# KiCad board poly_kb_molecule_4x5.kicad_pcb (continued)
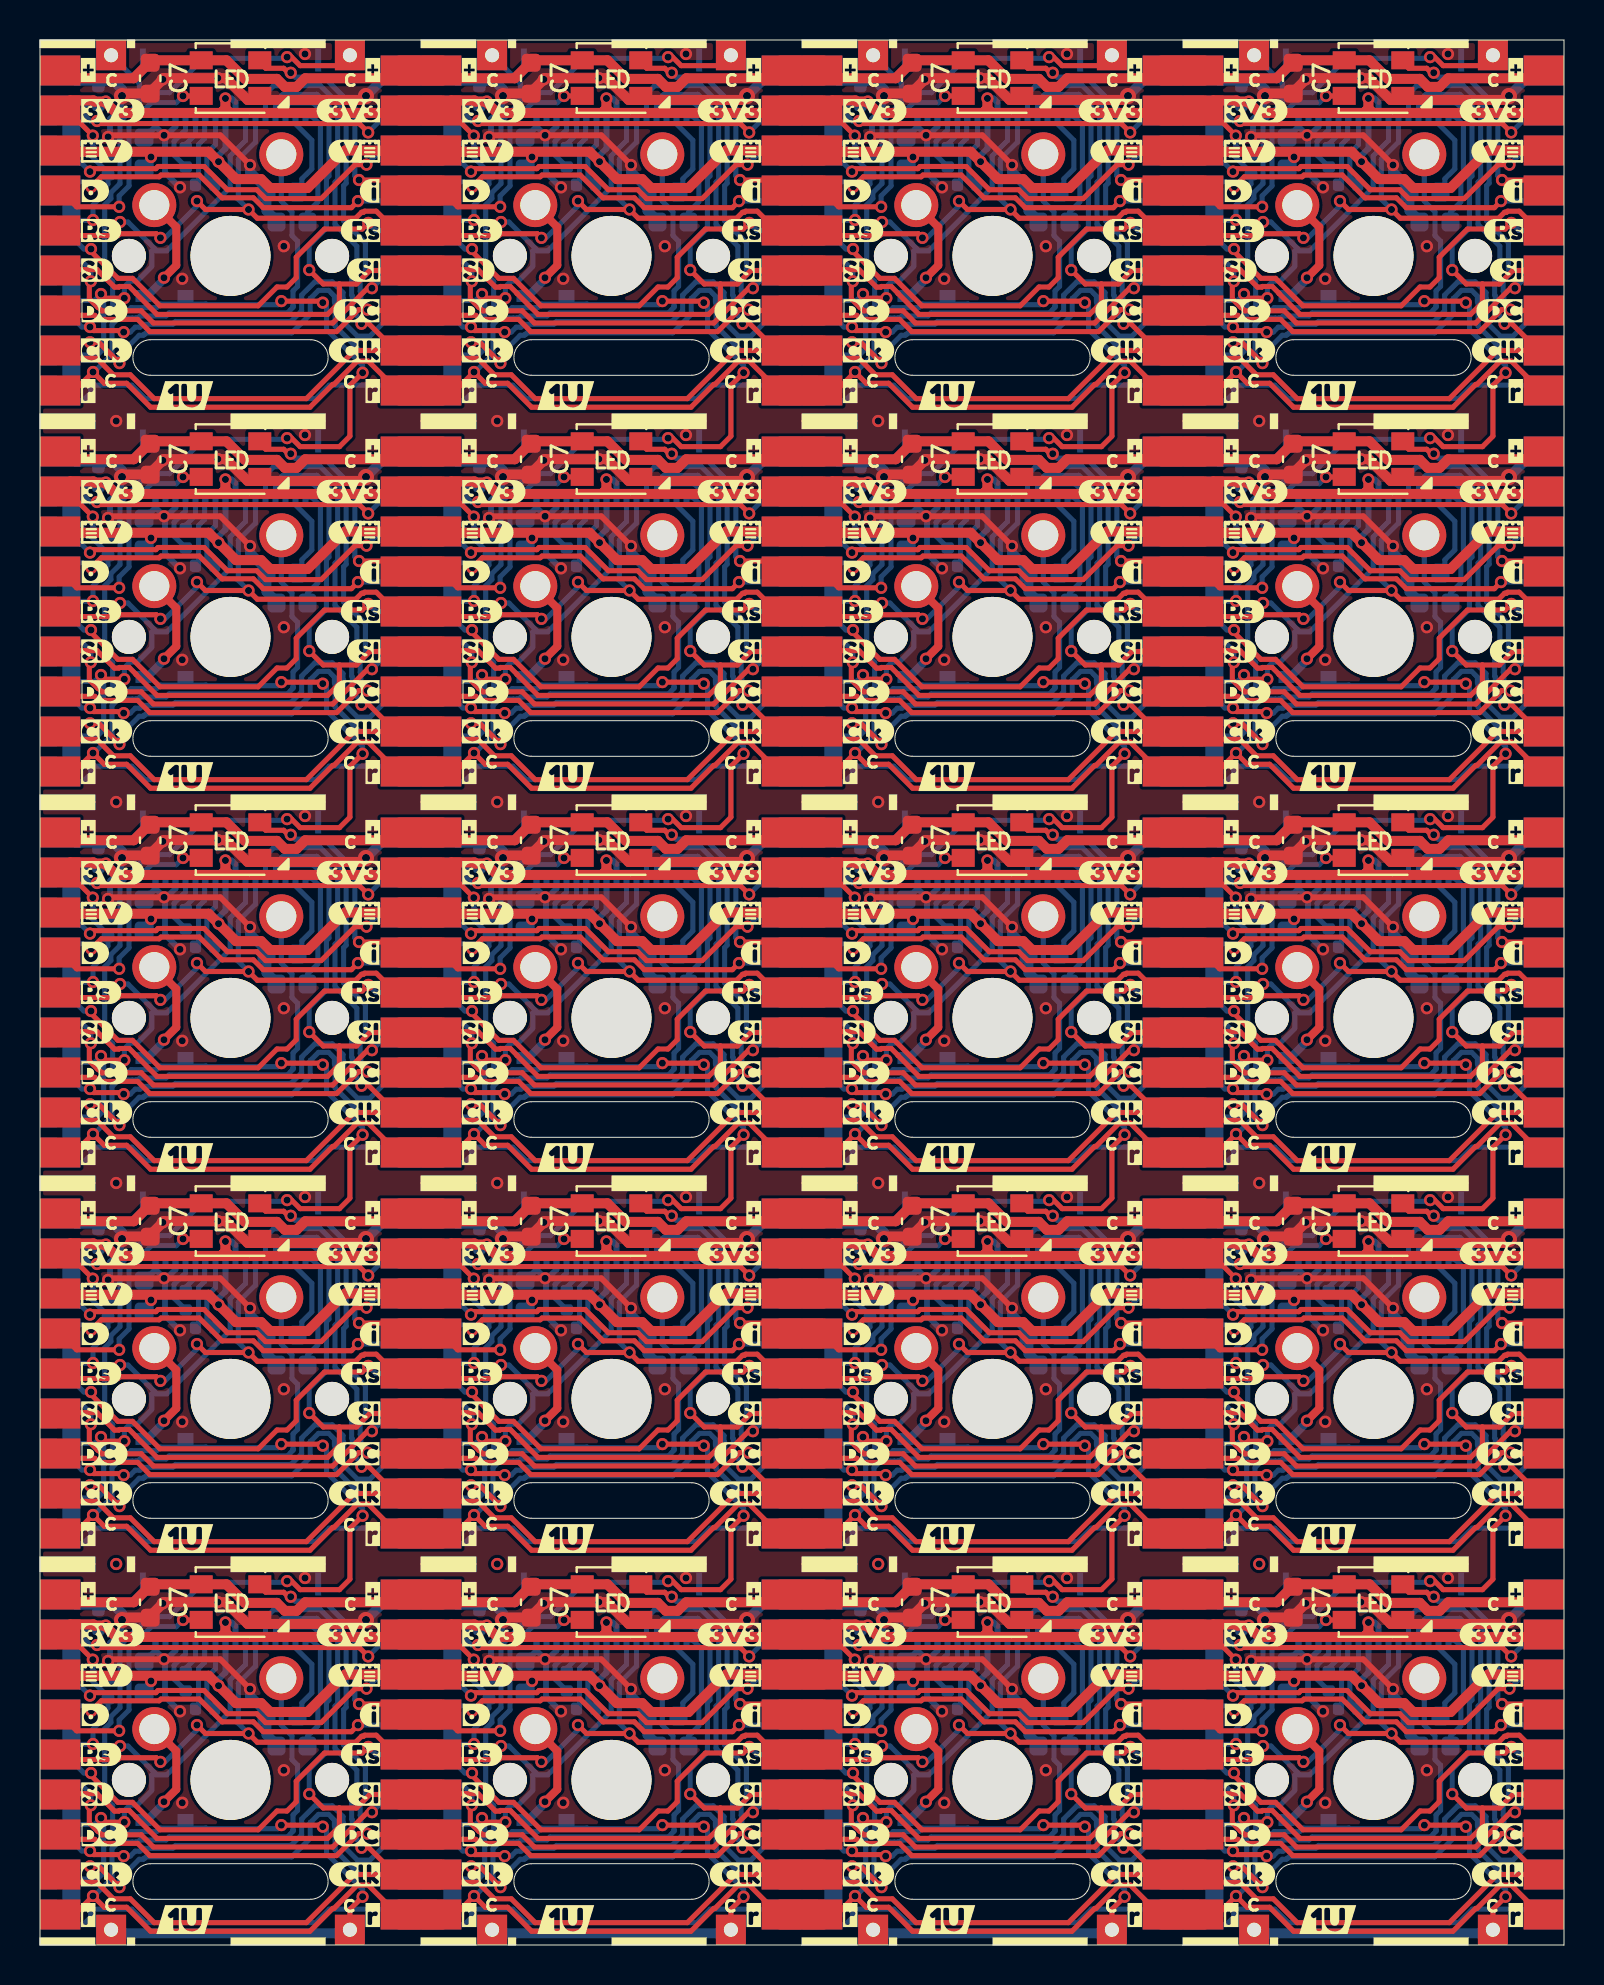
[diagram p0: board, top side]
## Routing (per net, layer and track width the routed paths; a pad name or vN(x,y) marks a point on that pad's centre or on a via; arc(x,y) is an arc through that point) (continued)
Net-(C4-Pad1): length 84.6
  Bottom w0.254: J1#14.15 50.88,14.85 51.69,14.04 51.69,12.6 51.19,12.11 51.19,11.56 ; J1#18.15 50.88,33.9 51.69,33.09 51.69,31.65 51.19,31.16 51.19,30.61 ; J1#10.15 69.92,91.05 70.74,90.24 70.74,88.8 70.24,88.31 70.24,87.76 ; J1.15 12.77,91.05 13.59,90.24 13.59,88.8 13.09,88.31 13.09,87.76 ; J1#9.15 31.83,14.85 32.64,14.04 32.64,12.6 32.14,12.11 32.14,11.56 ; J1#4.15 50.88,72 51.69,71.19 51.69,69.75 51.19,69.26 51.19,68.71 ; J1#19.15 69.92,52.95 70.74,52.14 70.74,50.7 70.24,50.21 70.24,49.66 ; 32.14,30.61 32.14,31.16 32.64,31.65 32.64,33.09 31.83,33.9 J1#2.15 ; J1#7.15 50.88,91.05 51.69,90.24 51.69,88.8 51.19,88.31 51.19,87.76 ; J1#5.15 12.77,33.9 13.59,33.09 13.59,31.65 13.09,31.16 13.09,30.61 ; J1#20.15 12.77,72 13.59,71.19 13.59,69.75 13.09,69.26 13.09,68.71 ; 70.24,11.56 70.24,12.11 70.74,12.6 70.74,14.04 69.92,14.85 J1#15.15 ; 13.09,11.56 13.09,12.11 13.59,12.6 13.59,14.04 12.77,14.85 J1#11.15 ; J1#17.15 69.92,72 70.74,71.19 70.74,69.75 70.24,69.26 70.24,68.71 ; 32.14,68.71 32.14,69.26 32.64,69.75 32.64,71.19 31.83,72 J1#16.15 ; J1#12.15 31.83,52.95 32.64,52.14 32.64,50.7 32.14,50.21 32.14,49.66 ; 32.14,87.76 32.14,88.31 32.64,88.8 32.64,90.24 31.83,91.05 J1#13.15 ; 51.19,49.66 51.19,50.21 51.69,50.7 51.69,52.14 50.88,52.95 J1#8.15 ; J1#6.15 12.77,52.95 13.59,52.14 13.59,50.7 13.09,50.21 13.09,49.66 ; 70.24,30.61 70.24,31.16 70.74,31.65 70.74,33.09 69.92,33.9 J1#3.15
Net-(C5-Pad1): length 60.3
  Bottom w0.254: C5#12.1 25.75,70.44 25.75,71.13 26.32,71.7 J1#16.4 ; C5#17.1 25.75,51.39 25.75,52.08 26.32,52.65 J1#12.4 ; C5#4.1 25.75,13.29 25.75,13.98 26.32,14.55 J1#9.4 ; J1#3.4 64.42,33.6 63.85,33.03 63.85,32.34 C5#5.1 ; C5#13.1 6.7,51.39 6.7,52.08 7.27,52.65 J1#6.4 ; C5#20.1 44.8,32.34 44.8,33.03 45.38,33.6 J1#18.4 ; C5#6.1 44.8,70.44 44.8,71.13 45.38,71.7 J1#4.4 ; C5#10.1 44.8,89.49 44.8,90.18 45.38,90.75 J1#7.4 ; C5#11.1 63.85,13.29 63.85,13.98 64.42,14.55 J1#15.4 ; C5#3.1 25.75,89.49 25.75,90.18 26.32,90.75 J1#13.4 ; C5.1 6.7,89.49 6.7,90.18 7.27,90.75 J1.4 ; J1#20.4 7.27,71.7 6.7,71.13 6.7,70.44 C5#9.1 ; J1#10.4 64.42,90.75 63.85,90.18 63.85,89.49 C5#15.1 ; C5#7.1 6.7,13.29 6.7,13.98 7.27,14.55 J1#11.4 ; J1#17.4 64.42,71.7 63.85,71.13 63.85,70.44 C5#2.1 ; J1#2.4 26.32,33.6 25.75,33.03 25.75,32.34 C5#16.1 ; J1#5.4 7.27,33.6 6.7,33.03 6.7,32.34 C5#8.1 ; J1#19.4 64.42,52.65 63.85,52.08 63.85,51.39 C5#18.1 ; J1#8.4 45.38,52.65 44.8,52.08 44.8,51.39 C5#19.1 ; J1#14.4 45.38,14.55 44.8,13.98 44.8,13.29 C5#14.1
Net-(C5-Pad2): length 35.5
  Bottom w0.254: C5#20.2 45.39,32.9 45.88,33.38 J1#18.5 ; J1#13.5 26.82,90.53 26.34,90.05 C5#3.2 ; C5#9.2 7.29,71 7.77,71.48 J1#20.5 ; C5#15.2 64.44,90.05 64.92,90.53 J1#10.5 ; J1#16.5 26.82,71.48 26.34,71 C5#12.2 ; C5.2 7.29,90.05 7.77,90.53 J1.5 ; C5#19.2 45.39,51.95 45.88,52.43 J1#8.5 ; J1#7.5 45.88,90.53 45.39,90.05 C5#10.2 ; C5#14.2 45.39,13.85 45.88,14.33 J1#14.5 ; C5#7.2 7.29,13.85 7.77,14.33 J1#11.5 ; J1#4.5 45.88,71.48 45.39,71 C5#6.2 ; C5#5.2 64.44,32.9 64.92,33.38 J1#3.5 ; C5#17.2 26.34,51.95 26.82,52.43 J1#12.5 ; J1#6.5 7.77,52.43 7.29,51.95 C5#13.2 ; J1#5.5 7.77,33.38 7.29,32.9 C5#8.2 ; J1#2.5 26.82,33.38 26.34,32.9 C5#16.2 ; J1#19.5 64.92,52.43 64.44,51.95 C5#18.2 ; C5#2.2 64.44,71 64.92,71.48 J1#17.5 ; J1#15.5 64.92,14.33 64.44,13.85 C5#11.2 ; J1#9.5 26.82,14.33 26.34,13.85 C5#4.2
Net-(C6-Pad1): length 72.7
  Bottom w0.254: J1#13.6 27.29,91.4 27.29,90.33 26.98,90.02 26.98,88.16 C6#4.1 ; C6#16.1 46.03,69.11 46.03,70.97 46.34,71.28 46.34,72.35 J1#4.6 ; J1#10.6 65.39,91.4 65.39,90.33 65.08,90.02 65.08,88.16 C6#17.1 ; J1#11.6 8.24,15.2 8.24,14.13 7.93,13.82 7.93,11.96 C6#7.1 ; C6#19.1 65.08,11.96 65.08,13.82 65.39,14.13 65.39,15.2 J1#15.6 ; J1#9.6 27.29,15.2 27.29,14.13 26.98,13.82 26.98,11.96 C6#12.1 ; J1#17.6 65.39,72.35 65.39,71.28 65.08,70.97 65.08,69.11 C6#15.1 ; C6#3.1 46.03,88.16 46.03,90.02 46.34,90.33 46.34,91.4 J1#7.6 ; J1#12.6 27.29,53.3 27.29,52.23 26.98,51.92 26.98,50.06 C6#20.1 ; J1#20.6 8.24,72.35 8.24,71.28 7.93,70.97 7.93,69.11 C6#2.1 ; J1#14.6 46.34,15.2 46.34,14.13 46.03,13.82 46.03,11.96 C6#14.1 ; J1.6 8.24,91.4 8.24,90.33 7.93,90.02 7.93,88.16 C6.1 ; C6#10.1 7.93,50.06 7.93,51.92 8.24,52.23 8.24,53.3 J1#6.6 ; C6#6.1 65.08,31.01 65.08,32.87 65.39,33.18 65.39,34.25 J1#3.6 ; J1#16.6 27.29,72.35 27.29,71.28 26.98,70.97 26.98,69.11 C6#13.1 ; J1#18.6 46.34,34.25 46.34,33.18 46.03,32.87 46.03,31.01 C6#8.1 ; C6#9.1 7.93,31.01 7.93,32.87 8.24,33.18 8.24,34.25 J1#5.6 ; C6#18.1 26.98,31.01 26.98,32.87 27.29,33.18 27.29,34.25 J1#2.6 ; C6#11.1 65.08,50.06 65.08,51.92 65.39,52.23 65.39,53.3 J1#19.6 ; C6#5.1 46.03,50.06 46.03,51.92 46.34,52.23 46.34,53.3 J1#8.6
Net-(C6-Pad2): length 75.4
  Bottom w0.254: J1#10.7 65.92,90.02 65.49,89.59 65.49,88.4 C6#17.2 ; C6#11.2 65.49,50.3 65.49,51.49 65.92,51.92 J1#19.7 ; C6.2 8.34,88.4 8.34,89.59 8.77,90.02 J1.7 ; C6#15.2 65.49,69.35 65.49,70.54 65.92,70.97 J1#17.7 ; J1#15.7 65.92,13.82 65.49,13.39 65.49,12.2 C6#19.2 ; C6#3.2 46.44,88.4 46.44,89.59 46.88,90.02 J1#7.7 ; J1#12.7 27.83,51.92 27.39,51.49 27.39,50.3 C6#20.2 ; J1#20.7 8.77,70.97 8.34,70.54 8.34,69.35 C6#2.2 ; J1#13.7 27.83,90.02 27.39,89.59 27.39,88.4 C6#4.2 ; C6#7.2 8.34,12.2 8.34,13.39 8.77,13.82 J1#11.7 ; C6#5.2 46.44,50.3 46.44,51.49 46.88,51.92 J1#8.7 ; C6#9.2 8.34,31.25 8.34,32.44 8.77,32.87 J1#5.7 ; C6#8.2 46.44,31.25 46.44,32.44 46.88,32.87 J1#18.7 ; J1#4.7 46.88,70.97 46.44,70.54 46.44,69.35 C6#16.2 ; J1#16.7 27.83,70.97 27.39,70.54 27.39,69.35 C6#13.2 ; J1#6.7 8.77,51.92 8.34,51.49 8.34,50.3 C6#10.2 ; C6#14.2 46.44,12.2 46.44,13.39 46.88,13.82 J1#14.7 ; J1#3.7 65.92,32.87 65.49,32.44 65.49,31.25 C6#6.2 ; C6#18.2 27.39,31.25 27.39,32.44 27.83,32.87 J1#2.7 ; J1#9.7 27.83,13.82 27.39,13.39 27.39,12.2 C6#12.2
Net-(D1-Pad2): length 117
  Top w0.4: v1(63.35,83.36) 63.96,83.98 63.96,85.9 SW1#9.2 ; SW1#18.2 25.86,47.8 25.86,45.88 v1(25.25,45.26) ; SW1#14.2 63.96,9.7 63.96,7.78 v1(63.35,7.16) ; SW1#13.2 63.96,66.85 63.96,64.93 v1(63.35,64.31) ; v1(63.35,45.26) 63.96,45.88 63.96,47.8 SW1#7.2 ; SW1.2 6.81,85.9 6.81,83.98 v1(6.2,83.36) ; SW1#8.2 25.86,66.85 25.86,64.93 v1(25.25,64.31) ; SW1#6.2 6.81,28.75 6.81,26.83 v1(6.2,26.21) ; v1(6.2,64.31) 6.81,64.93 6.81,66.85 SW1#2.2 ; v1(25.25,26.21) 25.86,26.83 25.86,28.75 SW1#4.2 ; SW1#16.2 44.91,66.85 44.91,64.93 v1(44.3,64.31) ; SW1#17.2 25.86,9.7 25.86,7.78 v1(25.25,7.16) ; SW1#15.2 44.91,47.8 44.91,45.88 v1(44.3,45.26) ; SW1#19.2 44.91,85.9 44.91,83.98 v1(44.3,83.36) ; v1(44.3,26.21) 44.91,26.83 44.91,28.75 SW1#3.2 ; v1(6.2,7.16) 6.81,7.78 6.81,9.7 SW1#5.2 ; v1(63.35,26.21) 63.96,26.83 63.96,28.75 SW1#10.2 ; v1(25.25,83.36) 25.86,83.98 25.86,85.9 SW1#11.2 ; v1(44.3,7.16) 44.91,7.78 44.91,9.7 SW1#20.2 ; v1(6.2,45.26) 6.81,45.88 6.81,47.8 SW1#12.2
  Bottom w0.25: 62.27,82.42 62.48,82.42 ; 24.17,63.37 24.38,63.37 ; 5.12,44.32 5.33,44.32 ; 24.17,25.27 24.38,25.27 ; 62.27,6.22 62.48,6.22 ; 43.22,63.37 43.43,63.37 ; 24.17,6.22 24.38,6.22 ; 43.22,6.22 43.43,6.22 ; 43.22,25.27 43.43,25.27 ; 24.17,82.42 24.38,82.42 ; 43.22,44.32 43.43,44.32 ; 62.27,44.32 62.48,44.32 ; 5.12,25.27 5.33,25.27 ; 5.12,63.37 5.33,63.37 ; 62.27,63.37 62.48,63.37 ; 43.22,82.42 43.43,82.42 ; 5.12,6.22 5.33,6.22 ; 5.12,82.42 5.33,82.42 ; 24.17,44.32 24.38,44.32 ; 62.27,25.27 62.48,25.27
  Bottom w0.4: v1(63.35,45.26) 63.35,45.19 62.48,44.32 ; v1(44.3,7.16) 44.3,7.09 43.43,6.22 ; 5.33,6.22 6.2,7.09 v1(6.2,7.16) ; 43.43,82.42 44.3,83.29 v1(44.3,83.36) ; v1(63.35,64.31) 63.35,64.24 62.48,63.37 ; v1(25.25,26.21) 25.25,26.14 24.38,25.27 ; v1(44.3,64.31) 44.3,64.24 43.43,63.37 ; v1(6.2,26.21) 6.2,26.14 5.33,25.27 ; 24.38,82.42 25.25,83.29 v1(25.25,83.36) ; v1(25.25,7.16) 25.25,7.09 24.38,6.22 ; 62.48,25.27 63.35,26.14 v1(63.35,26.21) ; 43.43,44.32 44.3,45.19 v1(44.3,45.26) ; v1(6.2,45.26) 6.2,45.19 5.33,44.32 ; v1(25.25,64.31) 25.25,64.24 24.38,63.37 ; v1(6.2,83.36) 6.2,83.29 5.33,82.42 ; 62.48,82.42 63.35,83.29 v1(63.35,83.36) ; 24.38,44.32 25.25,45.19 v1(25.25,45.26) ; v1(44.3,26.21) 44.3,26.14 43.43,25.27 ; 5.33,63.37 6.2,64.24 v1(6.2,64.31) ; v1(63.35,7.16) 63.35,7.09 62.48,6.22

## Copper pours and planes (outline as drawn; the poured copper is in the pictures)
/Keyboard/sheet605ED2EB/GND on Top: 82.65,-9.06 -14,-9.06 -14,115.15 82.65,115.15
/Keyboard/sheet605ED2EB/GND on Bottom: 87.25,-4.21 -7.65,-4.21 -7.65,122.14 87.25,122.14

## Text on the board
B.Silkscreen: C3 | by / thpoll | c | .1 | 8 | DispPort | 16 | 1 | 2 | 3 | 4 | 5 | 6 | 7 | CS | . | ATOM2 | POLYKB
User.Comments: JLCJLCJLCJLC | CUT OUT
F.Silkscreen: L | E | D | c
